# KiCad board scsi_switcher.kicad_pcb (continued)
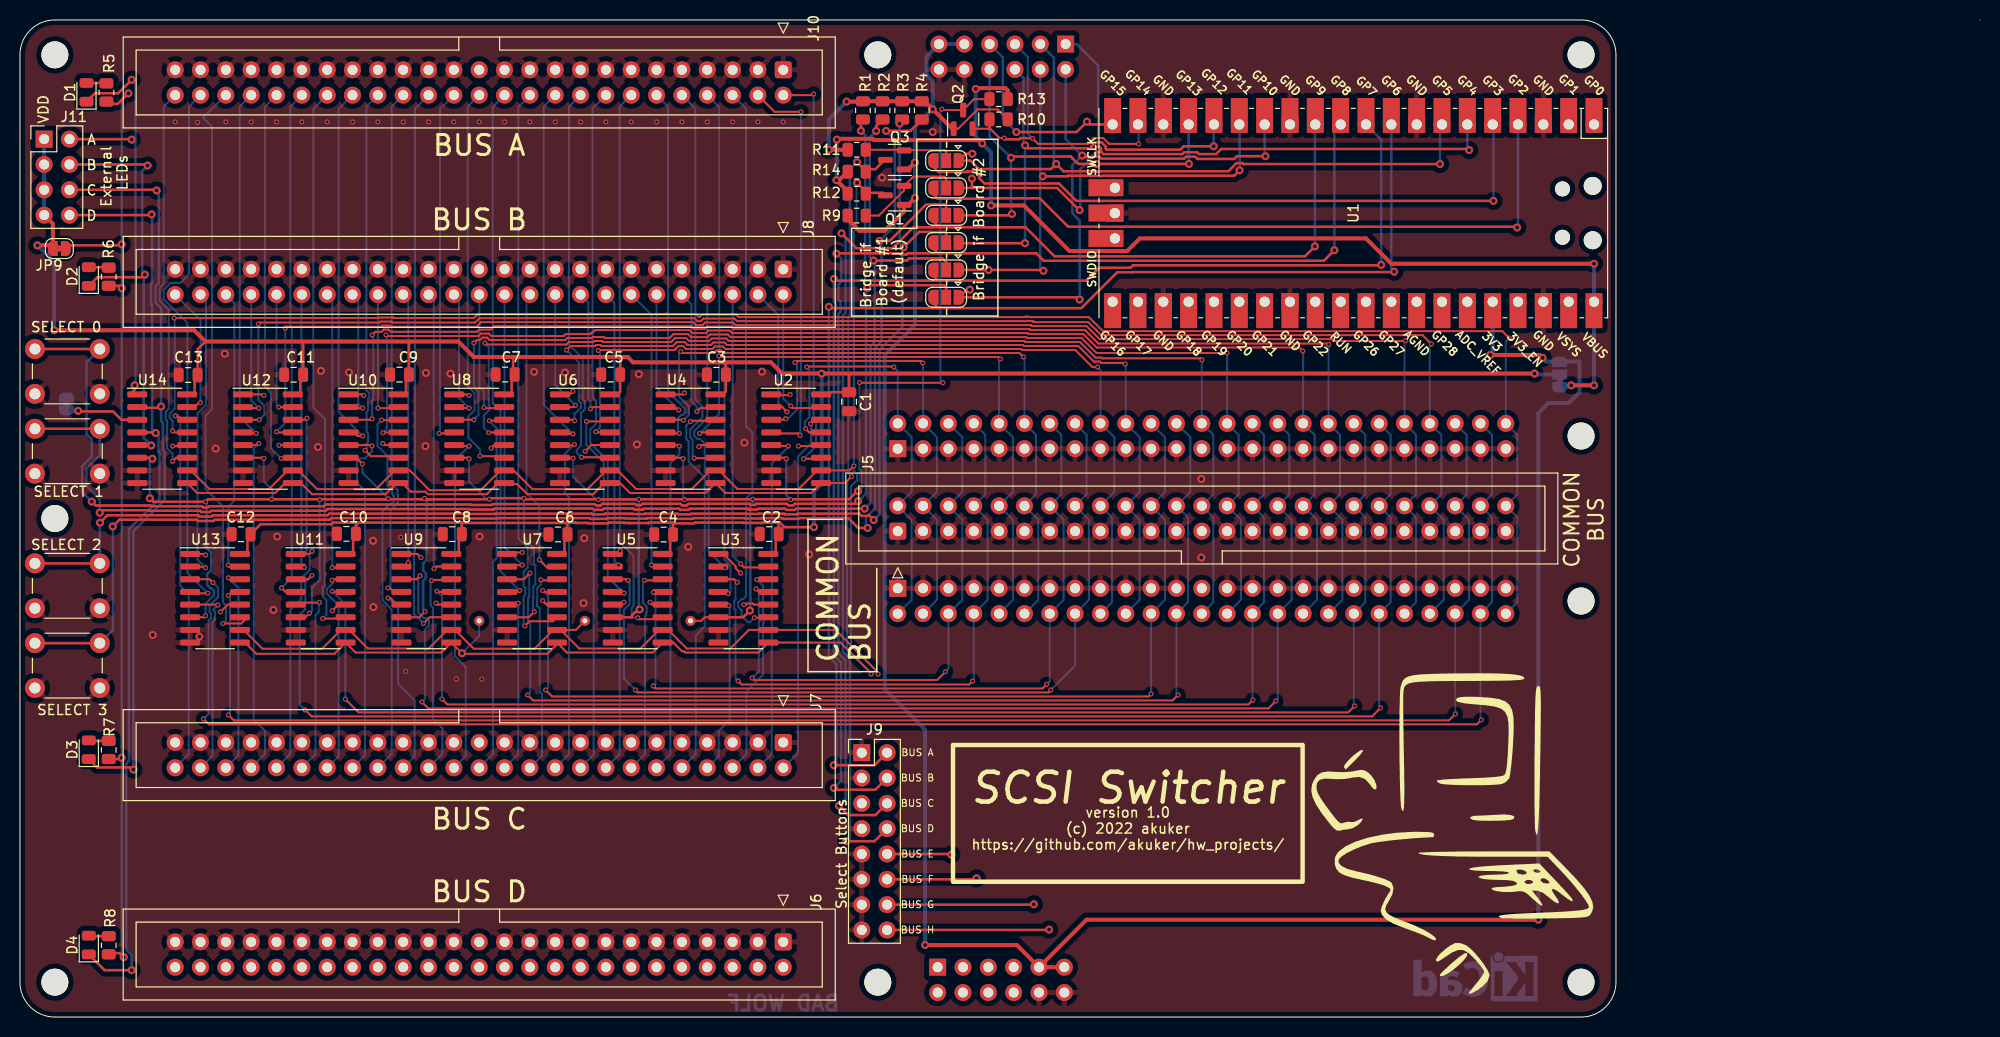
[diagram p0: board, top side]
## Routing (per net, layer and track width the routed paths; a pad name or vN(x,y) marks a point on that pad's centre or on a via; arc(x,y) is an arc through that point) (continued)
J4_Pin2: length 15.3
  Top w0.2: 80.97,61.07 77.48,61.07 v1(77.27,61.28)
  Bottom w0.2: v1(77.27,61.28) 76.52,62.04 J8.2
J4_Pin4: length 15.5
  Top w0.2: v1(76.9,60.69) 76.36,61.23 74.62,61.23
  Bottom w0.2: J8.4 76.01,70.43 76.01,61.58 v1(76.9,60.69)
J4_Pin6: length 30.9
  Top w0.2: 75.7,45.1 72.59,45.1 v1(72.25,45.45)
  Bottom w0.2: v1(72.25,45.45) 71.44,46.25 J8.6
J4_Pin8: length 29.4
  Bottom w0.2: v1(70.68,45.07) 69.05,46.7 69.05,54.26 68.65,54.66 68.65,57.5 68.16,57.98 67.91,57.98 67.59,58.3 67.59,58.76 68.9,60.07 J8.8
J4_Pin10: length 14.3
  Top w0.2: 70.37,61.07 68.2,61.07 v1(67.86,60.73)
  Bottom w0.2: 66.85,71.97 67.31,71.51 67.31,61.78 67.86,61.23 v1(67.86,60.73)
J4_Pin12: length 14.5
  Top w0.2: 64.12,61.03 65.89,61.03 v1(66.04,60.89)
  Bottom w0.2: v1(66.04,60.89) 63.82,63.1 J8.12
J4_Pin14: length 29.7
  Top w0.2: v1(63.31,45.32) 65.03,45.32
  Bottom w0.2: J8.14 63.31,70.43 v1(63.31,45.32)
J4_Pin16: length 27.7
  Bottom w0.2: v1(60.01,45.32) 59.59,45.74 59.59,71.61 J8.16
J4_Pin18: length 14.6
  Top w0.2: v1(57.19,61) 57.36,61.17 59.88,61.17
  Bottom w0.2: J8.18 56.97,71.69 56.97,61.98 57.19,61.76 v1(57.19,61)
J4_Pin20: length 14.3
  Top w0.2: v1(55.69,61.35) 55.51,61.17 53.38,61.17
  Bottom w0.2: v1(55.69,61.35) 53.66,63.39 J8.20
J4_Pin22: length 29.5
  Top w0.2: 54.48,45.07 52.86,45.07 v1(52.07,45.86)
  Bottom w0.2: v1(52.07,45.86) 52.07,51.26 50.78,52.55 50.78,72.12
J4_Pin24: length 30
  Top w0.2: 48.24,45.32 v1(50.36,45.32)
  Bottom w0.2: J8.24 48.58,47.1 v1(50.36,45.32)
J4_Pin26: length 14.2
  Top w0.2: v1(46.52,61.13) 46.58,61.07 49.19,61.07
  Bottom w0.2: 46.06,72.44 46.06,63.21 46.52,62.75 v1(46.52,61.13)
J4_Pin28: length 13.4
  Top w0.2: 42.89,61.07 v1(45.02,61.07)
  Bottom w0.2: 44.02,71.94 44.02,62.08 v1(45.02,61.07)
J4_Pin30: length 29.6
  Top w0.2: 43.99,45.17 41.72,45.17 v1(41.51,44.97)
  Bottom w0.2: v1(41.51,44.97) 41.48,45 41.48,71.94
J4_Pin32: length 27.8
  Top w0.2: 38.42,45.07 v1(38.93,45.58)
  Bottom w0.2: 38.38,72.42 38.93,71.87 v1(38.93,45.58)
J4_Pin34: length 14.1
  Top w0.2: v1(35.88,61.07) 38.59,61.07
  Bottom w0.2: J8.34 v1(35.88,61.07)
J4_Pin36: length 13.9
  Top w0.2: 32.3,61.07 v1(34.36,61.07)
  Bottom w0.2: v1(34.36,61.07) 33.92,61.51 33.92,71.88 J8.36
J4_Pin38: length 28.9
  Top w0.2: v1(31.31,45.07) 33.29,45.07
  Bottom w0.2: 31.31,71.95 v1(31.31,45.07)
J4_Pin40: length 27.5
  Bottom w0.2: v1(28.5,45.08) 28.22,45.37 28.22,72.42
J4_Pin42: length 13.5
  Top w0.2: 28.09,61.17 v1(25.95,61.17)
  Bottom w0.2: J8.42 25.72,61.4 v1(25.95,61.17)
J4_Pin44: length 13.9
  Top w0.2: 21.71,61.07 v1(23.94,61.07)
  Bottom w0.2: v1(23.94,61.07) 23.18,61.83 J8.44
J4_Pin46: length 29.6
  Top w0.2: 22.7,45.07 21.15,45.07 v1(20.89,45.32)
  Bottom w0.2: v1(20.89,45.32) 20.89,51.19 21.49,51.79 21.49,71.61 J8.46
J4_Pin48: length 30.6
  Top w0.2: 16.33,45.15 18.53,45.15 v1(18.61,45.07)
  Bottom w0.2: v1(18.61,45.07) 17.8,45.87 17.8,60.54 18.65,61.39 18.65,71.72 18.01,72.37
J4_Pin50: length 12.7
  Top w0.2: v1(18.1,61.62) 17.95,61.62 17.51,61.17
  Bottom w0.2: J8.50 18.1,69.92 v1(18.1,61.62)
J5_Pin2: length 42.7
  Top w0.2: 80.97,55.99 v1(78.55,55.99) ; J10.2 79.46,92.46 v1(79.57,92.57)
  Bottom w0.2: v1(78.55,55.99) 79.81,57.25 79.81,59.72 79.57,59.96 v1(79.57,92.57)
J5_Pin4: length 41.1
  Top w0.2: v1(78.3,90.79) 75.65,90.79 J10.4 ; 74.67,58.53 78.02,58.53 v1(78.22,58.33)
  Bottom w0.2: v1(78.3,90.79) 78.3,60.75 78.22,60.67 v1(78.22,58.33)
J5_Pin6: length 57.4
  Top w0.2: 75.37,40.05 v1(73.63,40.05)
  Bottom w0.2: v1(73.63,40.05) 73.2,39.62 72.97,39.62 72.56,40.03 72.56,40.05 72.34,40.26 72.34,40.8 72.33,40.81 72.01,41.13 72.01,41.58 72.33,41.91 72.5,41.91 72.8,42.2 72.8,51.84 72.92,51.96 72.92,52.16 73.24,52.48 73.42,52.48 73.42,58.63 72.79,59.26 72.79,91.11 J10.6
J5_Pin8: length 52.6
  Top w0.2: 69.44,42.46 v1(71,42.46)
  Bottom w0.2: v1(71,42.46) 71.23,42.69 71.23,45.3 70.63,45.9 70.63,66.54 70.1,67.07 70.1,91.26 J10.8
J5_Pin10: length 40.8
  Top w0.2: 70.44,56.05 v1(67.59,56.05)
  Bottom w0.2: v1(67.59,56.05) 67.44,56.2 67.44,57.89 67.19,58.14 67.19,58.93 68.41,60.14 68.41,61.24 67.71,61.94 67.71,91.11 J10.10
J5_Pin12: length 37.6
  Top w0.2: 64.08,58.53 v1(66.11,58.53)
  Bottom w0.2: v1(66.11,58.53) 65.97,58.67 65.97,60.08 66.29,60.4 66.49,60.4 66.66,60.56 66.66,61.05 64.97,62.73 64.97,91.31 J10.12
J5_Pin14: length 57.2
  Top w0.2: 64.98,39.9 62.08,39.9 v1(61.93,40.05)
  Bottom w0.2: v1(61.93,40.05) 61.41,40.05 61.33,40.13 61.33,41.04 61.52,41.22 61.52,46.25 60.13,47.63 60.13,91.31 J10.14
J5_Pin16: length 54.1
  Top w0.2: 58.81,42.51 v1(60.57,42.51)
  Bottom w0.2: J10.16 57.39,91.11 57.39,62.12 57.74,61.78 57.74,59.49 57.17,58.93 57.17,57.56 58.93,55.81 58.93,44.15 v1(60.57,42.51)
J5_Pin18: length 41.3
  Top w0.2: 59.63,56.14 v1(56.3,56.14)
  Bottom w0.2: v1(56.3,56.14) 55.81,56.62 55.81,56.87 56.24,57.3 56.24,60.56 56.64,60.96 56.64,61.75 56.42,61.96 56.42,66.05 55.04,67.44 55.04,91.3 J10.18
J5_Pin20: length 37.6
  Top w0.2: 53.53,58.49 v1(55.44,58.49)
  Bottom w0.2: v1(55.44,58.49) 55.44,58.53 55.38,58.53 52.51,61.4 52.51,91.31 J10.20
J5_Pin22: length 58
  Top w0.2: v1(50.61,39.23) 51.08,39.7 53.44,39.7 U7.11
  Bottom w0.2: J10.22 49.96,91.3 49.96,51.79 49.97,51.78 49.97,48 50.91,47.06 50.91,45.1 50.5,44.69 50.5,43.17 50.65,43.01 50.65,42.3 50.5,42.15 50.5,39.34 v1(50.61,39.23)
J5_Pin24: length 52.6
  Top w0.2: U7.4 49.95,42.64 v1(50.1,42.78)
  Bottom w0.2: J10.24 47.4,91.28 47.4,61.59 48.18,60.81 48.18,44.71 v1(50.1,42.78)
J5_Pin26: length 40.7
  Top w0.2: v1(46.12,56.27) 46.14,56.25 49.14,56.25
  Bottom w0.2: J10.26 44.89,91.31 44.89,63.25 45.57,62.57 45.57,60.84 44.95,60.22 44.95,58.11 46.12,56.94 v1(46.12,56.27)
J5_Pin28: length 35.2
  Top w0.2: 42.69,58.53 v1(42.03,58.53)
  Bottom w0.2: J10.28 42.11,91.07 42.11,58.61 v1(42.03,58.53)
J5_Pin30: length 57
  Top w0.2: v1(40.45,39.48) 41.06,40.09 U9.11
  Bottom w0.2: J10.30 39.59,91.09 39.59,46.71 39.5,46.62 39.5,40.43 v1(40.45,39.48)
J5_Pin32: length 51.5
  Top w0.2: 37.6,42.53 37.09,43.04 v1(36.9,43.04)
  Bottom w0.2: v1(36.9,43.04) 37.15,43.29 37.15,50.84 37.89,51.58 37.89,52.37 37.85,52.42 37.85,52.87 37.27,53.45 37.27,91.31 J10.32
J5_Pin34: length 40.7
  Top w0.2: v1(34.6,56.83) 35.19,56.25 38.55,56.25
  Bottom w0.2: v1(34.6,56.83) 34.74,56.97 34.74,57.5 34.91,57.67 34.91,58.51 34.75,58.66 34.75,60.69 34.91,60.84 34.91,62 35.02,62.11 35.02,62.57 34.73,62.86 34.73,91.31 J10.34
J5_Pin36: length 36.6
  Top w0.2: 33.59,58.53 33.85,58.28 v1(34.36,58.28)
  Bottom w0.2: v1(34.36,58.28) 31.95,60.68 31.95,91.07 J10.36
J5_Pin38: length 56.9
  Top w0.2: 33.26,39.96 v1(30.35,39.96)
  Bottom w0.2: J10.38 29.41,91.07 29.41,61.14 30.59,59.96 30.59,51.7 30.54,51.66 30.54,43.28 30.36,43.09 30.36,42.18 30.72,41.82 30.72,40.33 v1(30.35,39.96)
J5_Pin40: length 51.2
  Top w0.2: v1(26.23,43.04) 26.63,42.64 26.9,42.64
  Bottom w0.2: v1(26.23,43.04) 27.24,44.05 27.24,69.23 27.11,69.37 27.11,91.31 J10.40
J5_Pin42: length 39.4
  Top w0.2: 28.03,56.02 v1(26.19,56.02)
  Bottom w0.2: v1(26.19,56.02) 25.17,57.04 25.17,62.58 24.56,63.19 24.56,91.3 J10.42
J5_Pin44: length 37.1
  Top w0.2: v1(23.69,58.53) 21.71,58.53
  Bottom w0.2: J10.44 22.03,91.31 22.03,60.19 v1(23.69,58.53)
J5_Pin46: length 58.3
  Top w0.2: v1(20.35,39.47) 22.18,39.47 22.81,40.09
  Bottom w0.2: J10.46 18.35,90.17 19.25,89.28 19.25,60.95 18.61,60.31 18.61,52.94 20.34,51.21 20.34,41.59 20.66,41.28 20.66,39.78 v1(20.35,39.47)
J5_Pin48: length 56.3
  Top w0.2: 16.44,42.5 v1(18.83,42.5)
  Bottom w0.2: J10.48 16.95,91.31 16.95,74.52 16.04,73.61 15.08,73.61 14.41,72.94 14.41,71.98 16.79,69.61 16.79,44.54 v1(18.83,42.5)
J5_Pin50: length 39.8
  Top w0.2: v1(15.31,55.74) 15.66,56.09 U14.11
  Bottom w0.2: v1(15.31,55.74) 15.31,56.48 14.76,57.03 14.76,59.77 14.61,59.92 14.61,60.7 14.91,61 14.91,70.92 14.01,71.82 14.01,73.1 14.41,73.5 14.41,91.31 J10.50
MUX_INHIBIT: length 115.5
  Top w0.2: v1(98.68,88.15) 98.21,88.15 97.27,89.09 ; 97.27,89.09 Q2.2 ; 97.27,89.09 97.2,89.16 R10.2 ; v1(112.15,87.57) 109.18,87.57 108.59,88.16 107.64,88.16 107.05,87.57 102.06,87.57 v1(101.52,88.11)
  Top w0.25: v1(98.68,88.15) 98.8,88.03 100.19,88.03 100.3,88.15 101.48,88.15 v1(101.52,88.11)
  In1.Cu w0.2: J4.5 97.08,7.35 99.31,9.58 99.31,78.67 98.36,79.62 98.36,87.83 v1(98.68,88.15)
  Bottom w0.2: J3.5 101.04,96.29 101.04,88.59 v1(101.52,88.11) ; v1(112.15,87.57) 112.15,89.45
MUX_INHIBIT_5V: length 265.3
  Top w0.2: 33.85,51.93 36.89,51.93 v1(36.94,51.98) ; 33.71,56.09 v1(34.34,55.47) ; v1(51.56,40.64) 51.01,40.09 U7.6 ; v1(84.16,63.64) 84.19,63.61 v1(92.52,63.61) ; U11.6 28.62,40.09 v1(29.02,40.5) ; U9.6 40.04,40.09 v1(40.61,40.67) ; v1(18.61,40.24) 18.46,40.09 U13.6 ; v1(45.02,55.99) 44.92,56.09 42.79,56.09 ; 63.98,56.09 66.39,56.09 ; 53.38,56.09 55.42,56.09 v1(55.46,56.05) ; 21.6,56.09 24.39,56.09 v1(24.45,56.03) ; U2.6 76.7,56.09 v1(76.81,55.98) ; TP2.1 68.29,39.74 68.65,40.09 U3.6 ; R13.2 95.65,92.06 Q2.3 92.5,90.97 v1(92.42,91.05)
  Top w0.25: 58.68,40.09 61.36,40.09 61.36,40.29 61.69,40.62 61.87,40.62 v2(62.12,40.88) ; 69.27,40.09 72.5,40.09 v2(73.18,40.77) ; 41.47,51.93 40.64,51.93 v1(40.55,52.02) ; 41.47,51.93 v1(25.21,51.93) 18.86,51.93 v1(18.61,51.67) 13.38,51.67 v2(13.02,52.03) ; 41.47,51.93 v1(47.06,51.93) 47.16,52.04 50.49,52.04 v1(50.51,52.02) 50.6,51.93 57.94,51.93 v1(57.98,51.89) 58.01,51.92 v1(62.03,51.92) 62.04,51.93 v1(73.47,51.93) 83.12,51.93 83.94,52.74 v2(84.02,52.74) ; v2(13.27,55.99) 13.17,56.09 11.01,56.09
  Bottom w0.2: v1(36.94,51.98) 36.94,52 34.34,54.6 v1(34.34,55.47) ; v1(92.42,91.05) 92.27,90.9 92.27,63.87 v1(92.52,63.61) ; v1(50.51,52.02) 50.52,52.01 50.52,48.01 51.52,47.01 51.52,45.41 51.67,45.27 51.67,43.4 51.45,43.19 51.45,41.97 51.44,41.96 51.44,40.76 v1(51.56,40.64) ; v1(24.45,56.03) 24.45,53.71 25.34,52.82 25.34,52.06 v1(25.21,51.93) ; v1(84.16,63.64) 84.16,54.95 84.39,54.72 84.39,53.11 v2(84.02,52.74) ; v1(30.04,51.89) 30.04,43.8 29.28,43.04 29.28,40.75 v1(29.02,40.5) ; v1(66.49,56) 66.49,52.01 v1(66.61,51.89) ; v1(55.46,56.05) 55.46,54.19 57.77,51.89 v1(57.98,51.89) ; v1(18.61,40.24) 18.61,41.46 19.44,42.29 ; v1(45.02,55.99) 45.02,53.71 46.8,51.93 v1(47.06,51.93)
  Bottom w0.25: v1(76.81,55.98) 76.81,52.35 v1(77.28,51.89) ; 84.35,53.07 v2(84.02,52.74) ; v2(13.27,55.99) 13.02,55.74 v2(13.02,52.03) ; v1(62.03,51.92) 62.03,40.97 v2(62.12,40.88) ; v1(40.61,40.67) 40.42,40.86 40.42,43.74 40.69,44.02 40.69,44.5 40.42,44.78 40.42,45.49 40.77,45.85 40.77,51.79 v1(40.55,52.02) ; v2(73.18,40.77) 73.22,40.81 73.22,51.42 73.47,51.67 v1(73.47,51.93) ; 19.44,42.29 19.44,42.77 19.2,43 19.11,43 18.77,43.34 18.77,44.42 19.18,44.83 19.18,46.58 18.71,47.05 18.71,51.58 v1(18.61,51.67)
MUX_SELECT_A: length 11
  Top w0.2: R9.2 86.1,80.38 88.63,82.91 Q1.2 89.57,84.29 92.66,84.29 92.85,84.1 JP6.2
MUX_SELECT_A_5V: length 199.2
  Top w0.2: 17.13,54.83 19,52.96 24.97,52.96 26.84,54.83 ; U2.10 83.16,54.83 v1(83.6,55.26) ; U7.10 55.72,38.83 TP1.1 ; U10.10 39.08,54.83 41.07,52.84 46.18,52.84 48.17,54.83 ; 32.17,38.83 30.29,36.94 24.31,36.94 22.42,38.83 ; 69.21,54.83 67.34,52.96 61.78,52.96 59.91,54.83 ; 70.09,54.83 71.03,53.89 71.03,53.87 71.94,52.96 78.06,52.96 79.92,54.83 ; 64.98,38.83 66.85,36.96 71.2,36.96 73.07,38.83 U3.10 81.76,38.83 86.03,34.56 v1(86.03,34.4) ; 53.47,38.83 51.59,36.94 45.51,36.94 45.31,37.13 45.3,37.13 43.61,38.83 ; 42.84,38.83 40.97,36.96 34.89,36.96 33.02,38.83 ; 58.77,54.83 56.89,52.94 51.37,52.94 49.49,54.83 U8.10 ; 27.9,54.83 29.78,52.94 35.7,52.94 37.58,54.83 ; 54.2,38.83 56.07,36.96 62.19,36.96 64.06,38.83
  Top w0.25: 84.8,82.79 v2(83.92,83.66) ; 84.88,82.66 86.5,82.66 Q1.3
  Bottom w0.2: v1(86.03,34.4) 86.03,34.56 83.32,37.27 83.32,53.25 83.93,53.85 83.93,54.44 83.59,54.78 83.59,54.97 83.6,54.98 v1(83.6,55.26) 83.6,78.79 83.87,79.06 83.87,83.61 v2(83.92,83.66)
MUX_SELECT_B: length 9
  Top w0.2: 88.66,86.94 92.75,86.94 92.85,86.84 JP7.2 ; R11.2 88.57,86.98
MUX_SELECT_B_5V: length 197
  Top w0.2: 37.76,53.56 36.64,52.44 29.28,52.44 28.16,53.56 ; 26.59,53.56 25.59,52.56 17.76,52.56 U14.9 ; 47.92,53.56 46.8,52.44 40.9,52.44 40.65,52.69 39.18,52.69 38.32,53.56 ; 58.59,53.56 57.47,52.44 50.87,52.44 49.85,53.45 48.64,53.45 ; 53.84,37.37 52.9,36.43 44.36,36.43 U9.9 42.24,36.56 33.65,36.56 U11.9 31.53,36.43 23.69,36.43 22.57,37.56 ; U6.9 60.16,53.56 61.16,52.56 68.73,52.56 U4.9 70.73,52.56 79.32,52.56 U2.9 82.72,53.56 v1(83.38,54.21) ; v1(85.33,34.4) 85.33,34.49 82.26,37.56 75.61,37.56 ; U3.9 74.02,36.56 66.69,36.56 66.56,36.69 66.36,36.69 65.49,37.56 U5.9 63.43,36.56 54.84,36.56 U7.9
  Top w0.25: 86.68,85.96 85.75,85.03 84.8,85.03 ; 84.8,84.85 v2(83.92,85.73)
  Bottom w0.2: v1(85.33,34.4) 85.33,34.49 82.92,36.89 82.92,53.76 v1(83.38,54.21) 83.04,54.55 83.04,70.28 83.2,70.44 83.2,78.95 ; v2(44.31,36.49) 46.04,38.21 TP3.1
  Bottom w0.25: v2(83.92,85.73) 83.2,85.01 83.2,78.95
SEL_LED_0: length 43.6
  Top w0.25: D1.1 7.51,92.65 9.85,92.65 v2(11.2,94) ; v2(11.5,63.36) 11.5,62.93 11.01,62.45 ; J11.2 11.15,88.05 v2(11.2,88)
  Bottom w0.25: v2(11.5,63.36) 11.59,63.45 11.59,93.61 v2(11.2,94)
SEL_LED_1: length 44.8
  Top w0.25: v2(12.8,85.4) 12.69,85.51 J11.4 ; v2(12.53,74.46) 12.27,74.2 7.77,74.2 D2.1 ; 11.07,57.3 13.13,57.3 v2(13.16,57.33)
  Bottom w0.25: v2(12.8,85.4) 12.25,84.85 12.25,74.74 v2(12.53,74.46) 12.4,74.34 12.4,58.08 v2(13.16,57.33)
SEL_LED_2: length 76.8
  Top w0.25: v2(11.37,24.82) 11.16,25.04 7.73,25.04 D3.1 ; v2(14.15,61.23) 14.02,61.1 11.09,61.1 ; J11.6 13.63,82.97 v2(13.7,82.9)
  Bottom w0.25: v2(13.7,82.9) 13.92,82.68 13.92,73.62 13.59,73.28 13.59,71.64 14.15,71.08 v2(14.15,61.23) 14.15,59.78 14.33,59.6 14.33,56.86 14.51,56.68 14.51,51.86 11.37,48.72 v2(11.37,24.82)
SEL_LED_3: length 93.7
  Top w0.25: D4.1 8.48,4.7 v2(11.2,4.7) ; 11.01,58.63 13.55,58.63 v2(13.61,58.57) ; J11.8 13.13,80.43 v2(13.2,80.5)
  Bottom w0.25: v2(11.2,4.7) 11.2,6.22 10.65,6.78 10.65,25.42 10.92,25.7 10.92,48.91 14,51.98 14,56.56 13.88,56.67 13.88,58.3 v2(13.61,58.57) 13.25,58.93 13.25,71.34 13.14,71.46 13.14,73.46 13.25,73.58 13.25,80.45 v2(13.2,80.5)
SPARE: length 108
  Top w0.25: v2(99.89,88.76) 105.93,88.76 v2(106.97,89.8) 107.25,89.52 U1.20
  In1.Cu w0.25: J4.7 99.62,7.39 104.61,12.38 104.61,87.44 v2(106.97,89.8)
  Bottom w0.25: v2(99.89,88.76) 98.53,90.12 98.53,96.26 J3.7
Net-(D1-Pad2): length 2
  Top w0.25: D1.2 8.62,93.68
Net-(D2-Pad2): length 2
  Top w0.25: D2.2 8.86,75.2
Net-(D3-Pad2): length 2
  Top w0.25: R7.2 6.95,27.7
Net-(D4-Pad2): length 2
  Top w0.25: R8.2 6.95,8.11
Net-(JP8-Pad1): length 6.7
  Top w0.25: 11.01,59.91 10.16,59.91 9.33,60.74 5.89,60.74 v2(5.83,60.8)
  Bottom w0.25: v2(5.83,60.8) 4.7,60.8
Net-(JP9-Pad1): length 99.3
  Top w0.25: v2(10.4,6) 9.98,6.42 9.02,6.42 ; v2(10.2,26) 10.07,25.88 R7.1 ; v2(10.2,77.5) 10.1,77.4 4.6,77.4 ; 8.91,91.58 9.8,91.58 v2(10.86,92.64) ; R6.1 9.96,73.34 v2(10.2,73.1)
  Bottom w0.25: v2(10.4,6) 10.2,6.2 v2(10.2,73.1) v2(10.2,77.5) 10.2,91.98 v2(10.86,92.64)

## Copper pours and planes (outline as drawn; the poured copper is in the pictures)
GND on Top, Bottom, In1.Cu, In2.Cu: 212.23,-24.38 -6.43,-19.63 -3.9,103.42 211.19,103.72

## Text on the board
Bottom: BAD WOLF
B.Silkscreen: 5v | 3.3v | VBUS | Pass-through to other board | A | B | C | D | Single / Board / Operation | RP Pico | COM | J5 | J3 | J1 | Double Board Operation | J4 | J2 | DNP | MUX / SELECT / B | MUX / SELECT / A | MUX / INHIBIT | E | F | G | H
F.Silkscreen: BUS A | BUS B | BUS C | BUS D | BUS E | BUS F | BUS G | BUS H | A | B | C | D | version 1.0 / (c) 2022 akuker / https://github.com/akuker/hw_projects/ | VDD | External / LEDs | Select Buttons | Bridge if / Board #1 / (default) | Bridge if Board #2 | COMMON / BUS | SCSI Switcher
